# Altium PCB PCB1.PcbDoc (part 1 of 2) (continued)
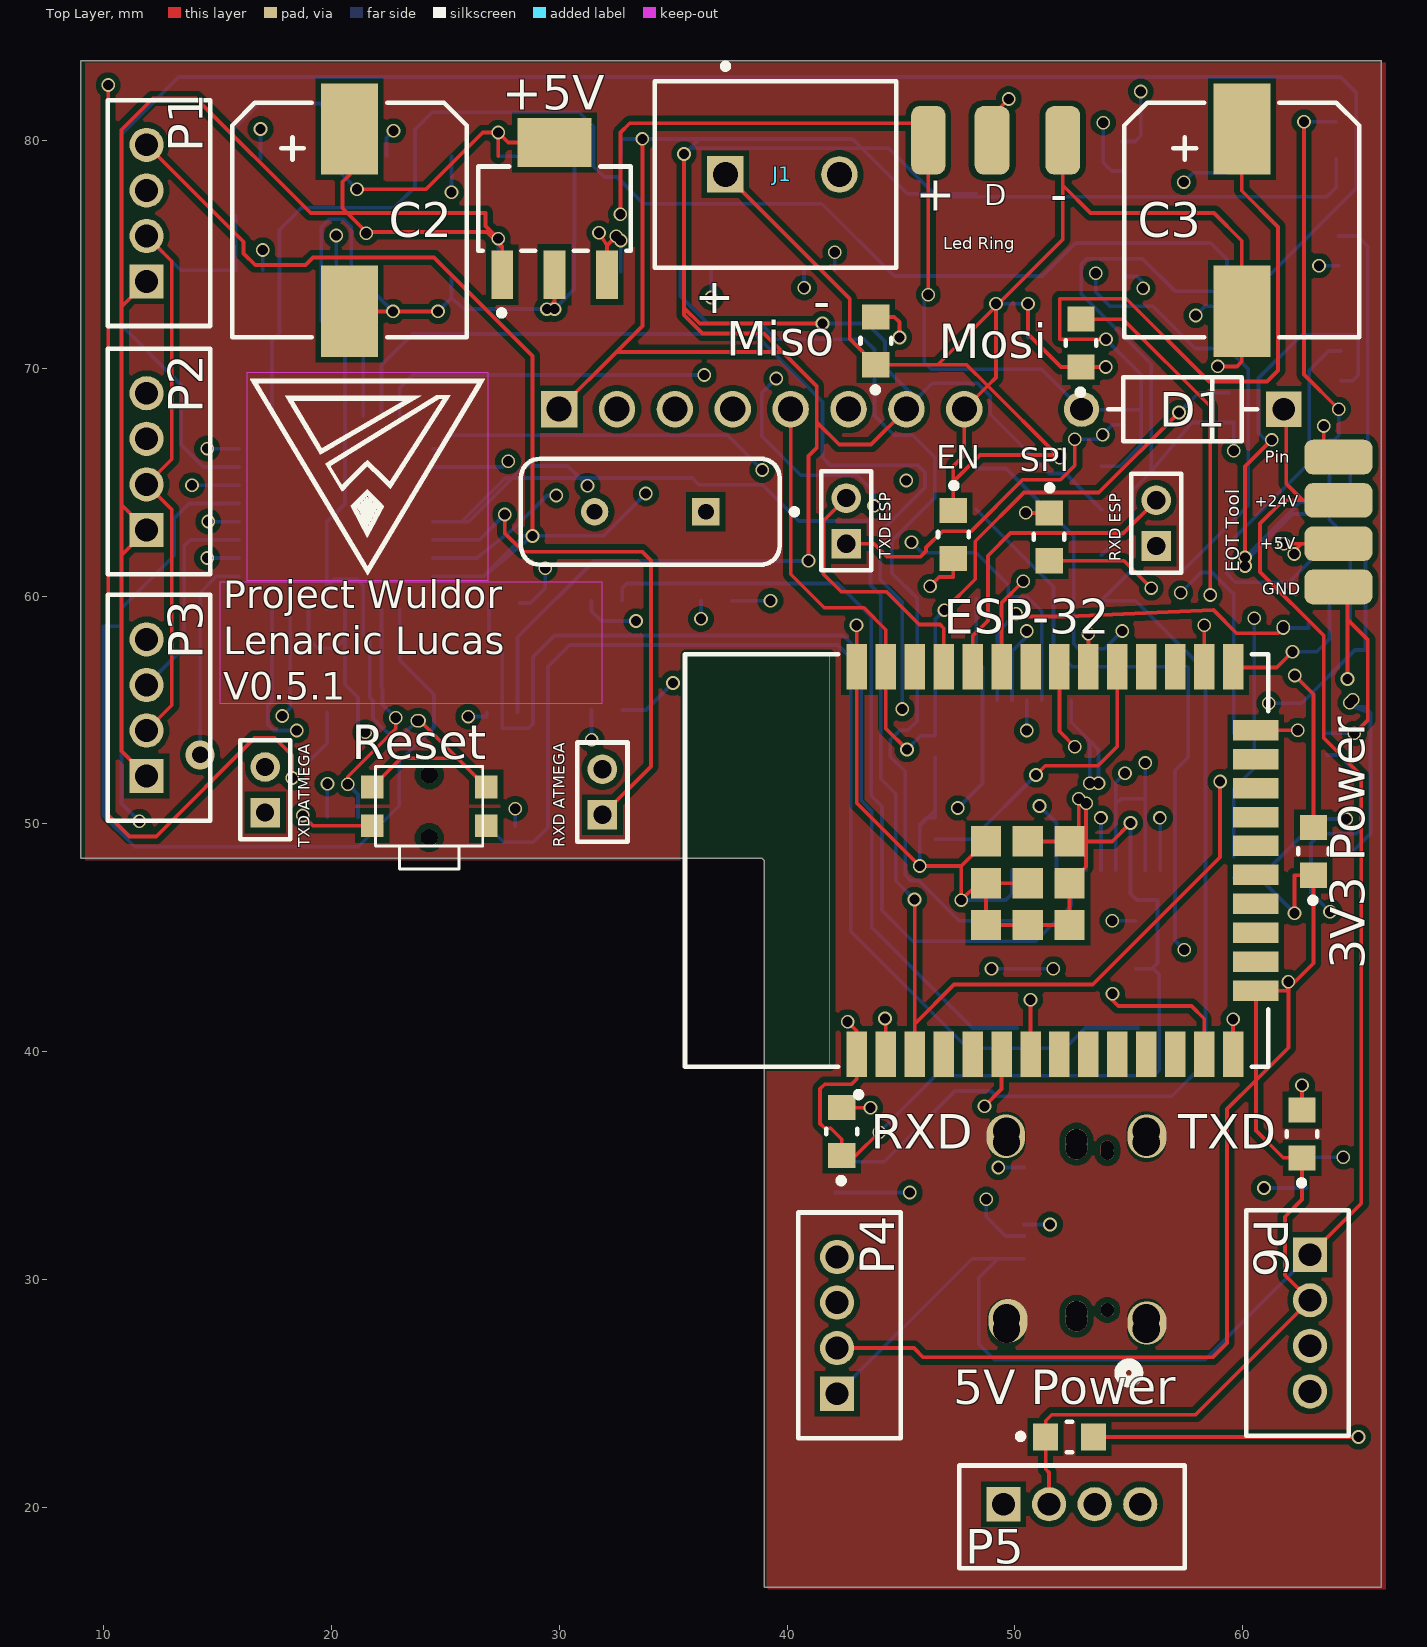
[diagram p0: Top Layer view]
## Design rules (kind name [scope] priority, off if disabled: settings)
AssemblyTestPointUsage AssemblyTestPointUsage_1 [All] p2:
AssemblyTestpoint AssemblyTestpoint_1 [All] p2: testpointundercomponent=TRUE minsize=1.016 maxsize=2.54 preferedsize=1.524 minholesize=0 maxholesize=1.016 preferedholesize=0.813 testpointgrid=0.025 usegrid=TRUE gridtolerance=0 allowsidetop=TRUE allowsidebottom=TRUE
Clearance [All] p1: gap=0.254 ignorepadtopadclearanceinfootprint=FALSE except(0: Arc-Hole Track-Hole SMDPad-Hole THPad-Hole Via-Hole Fill-Hole Poly-Hole Region-Hole Text-Hole)
Clearance Clearance_1 [All] p2: gap=0.254 ignorepadtopadclearanceinfootprint=FALSE except(0: Arc-Hole Track-Hole SMDPad-Hole THPad-Hole Via-Hole Fill-Hole Poly-Hole Region-Hole Text-Hole)
ComponentClearance ComponentClearance_1 [All] p2: gap=0.254 collisioncheckmode=3 verticalgap=0.254 showdistances=FALSE
DiffPairsRouting DiffPairsRouting_1 [All] p2: maxlimit=0.254 minlimit=0.254 mostfreqgap=0.254 toplayer_minwidth=0.381 toplayer_maxwidth=0.381 toplayer_prefwidth=0.381 midlayer1_minwidth=0.381 midlayer1_maxwidth=0.381 midlayer1_prefwidth=0.381 midlayer2_minwidth=0.381 midlayer2_maxwidth=0.381 midlayer2_prefwidth=0.381 bottomlayer_minwidth=0.381 bottomlayer_maxwidth=0.381 bottomlayer_prefwidth=0.381 maxuncoupledlength=12.7
FabricationTestPointUsage FabricationTestPointUsage_1 [All] p2: valid=0 allowmultiple=FALSE
FabricationTestpoint FabricationTestpoint_1 [All] p2: side=3 testpointundercomponent=TRUE minsize=1.016 maxsize=2.54 preferedsize=1.524 minholesize=0 maxholesize=1.016 preferedholesize=0.813 testpointgrid=0.025 allowsidetop=TRUE allowsidebottom=TRUE usegrid=TRUE gridtolerance=0
FanoutControl Fanout_LCC [IsLCC] p1: bgadir=Out bgaviamode=Centered fanoutstyle=Auto fanoutdirection=Alternating viagrid=0.025 // Fanout_LCC (Default Rule)
FanoutControl Fanout_BGA [IsBGA] p2: bgadir=Out bgaviamode=Centered fanoutstyle=Auto fanoutdirection=Alternating viagrid=0.025 // Fanout_BGA (Default Rule)
FanoutControl Fanout_Default [All] p4: bgadir=Out bgaviamode=Centered fanoutstyle=Auto fanoutdirection=Alternating viagrid=0.025 // Fanout_Default (Default Rule)
FanoutControl Fanout_Small [(CompPinCount < 5)] p5: bgadir=Out bgaviamode=Centered fanoutstyle=Auto fanoutdirection=OutThenIn viagrid=0.025 // Fanout_Small (Default Rule)
FanoutControl Fanout_BGA_1 [IsBGA] p6: bgadir=Out bgaviamode=Centered fanoutstyle=Auto fanoutdirection=Alternating viagrid=0.025 // Fanout_BGA (Default Rule)
FanoutControl Fanout_LCC_1 [IsLCC] p7: bgadir=Out bgaviamode=Centered fanoutstyle=Auto fanoutdirection=Alternating viagrid=0.025 // Fanout_LCC (Default Rule)
FanoutControl Fanout_SOIC_1 [IsSOIC] p8: bgadir=Out bgaviamode=Centered fanoutstyle=Auto fanoutdirection=Alternating viagrid=0.025 // Fanout_SOIC (Default Rule)
FanoutControl Fanout_Small_1 [(CompPinCount < 5)] p9: bgadir=Out bgaviamode=Centered fanoutstyle=Auto fanoutdirection=OutThenIn viagrid=0.025 // Fanout_Small (Default Rule)
FanoutControl Fanout_Default_1 [All] p10: bgadir=Out bgaviamode=Centered fanoutstyle=Auto fanoutdirection=Alternating viagrid=0.025 // Fanout_Default (Default Rule)
Height Height_1 [All] p2: minheight=0 maxheight=25.4 prefheight=12.7
HoleSize HoleSize_1 [All] p2: absolutevalues=TRUE maxlimit=2.54 minlimit=0.025 maxpercent=80.000 minpercent=20.000
HoleToHoleClearance HoleToHoleClearance_1 [All] p2: gap=0.254 allowstackedmicrovias=TRUE
LayerPairs LayerPairs_1 [All] p2: enforce=TRUE
MinimumSolderMaskSliver MinimumSolderMaskSliver_1 [All] p2: minsoldermaskwidth=0.254
NetAntennae NetAntennae_1 [All] p2: netantennaetolerance=0
PasteMaskExpansion PasteMaskExpansion_1 [All] p2: expansion=0
PlaneClearance PlaneClearance_1 [All] p2: clearance=0.508
PlaneConnect PlaneConnect_1 [All] p2: planeconnectstyle=Relief reliefexpansion=0.508 reliefentries=4 reliefconductorwidth=0.254 reliefairgap=0.254
PolygonConnect [All] p1: connectstyle=Relief reliefconductorwidth=0.254 reliefentries=4 polygonreliefangle="90 Angle" airgapwidth=0.254
PolygonConnect PolygonConnect_1 [All] p2: connectstyle=Relief reliefconductorwidth=0.254 reliefentries=4 polygonreliefangle="90 Angle" airgapwidth=0.254
RoutingCorners RoutingCorners_1 [All] p2: cornerstyle=45-Degree minsetback=2.54 maxsetback=2.54
RoutingLayers RoutingLayers_1 [All] p2: top layer_v5=TRUE mid layer 1_v5=TRUE mid layer 2_v5=TRUE bottom layer_v5=TRUE
RoutingPriority RoutingPriority_1 [All] p2: routingpriority=0
RoutingTopology [All] p1: topology=Daisy_Balanced
RoutingTopology RoutingTopology_1 [All] p2: topology=Shortest
RoutingVias [All] p1: holewidth=0.451 width=0.6 viastyle="Through Hole" minholewidth=0.251 minwidth=0.4 maxholewidth=0.711 maxwidth=1.27
RoutingVias RoutingVias_1 [All] p2: holewidth=0.711 width=1.27 viastyle="Through Hole" minholewidth=0.711 minwidth=1.27 maxholewidth=0.711 maxwidth=1.27
ShortCircuit ShortCircuit_1 [All] p2: allowed=FALSE
SilkToBoardRegionClearance SilkToBoardRegionClearance_1 [All] p2:
SilkToSilkClearance SilkToSilkClearance_1 [All] p2: silktosilkclearance=0.254
SilkToSolderMaskClearance SilkToSolderMaskClearance_1 [IsPad] p2: minsilkscreentomaskgap=0.254 clearancetoexposedcopper=TRUE
SolderMaskExpansion [All] p1: expansion=0.102 istentingtop=FALSE
SolderMaskExpansion SolderMaskExpansion_1 [All] p2: expansion=0.102 istentingtop=FALSE
UnRoutedNet UnRoutedNet_1 [All] p2:
UnpouredPolygon UnpouredPolygon_1 [All] p2:
Width [All] p1: maxlimit=0.254 minlimit=0.144 preferedwidth=0.164 minimp=50.000000 maximp=50.000000 favimp=50.000000
Width Width_1 [All] p2: maxlimit=0.254 minlimit=0.144 preferedwidth=0.144 minimp=50.000000 maximp=50.000000 favimp=50.000000
25 further rules are at their usual default settings.

## Classes and differential pairs
component class Sheet2: "3V3 Power" "5V Power" +3V3 +5V ATMEGA328P C1 C2 C3 C4 C5 C6 C7 C8 C9 D1 Display EN ESP-32 FT232RL Miso Mosi P1 P2 P3 P4 P5 P6 Q1 Q2 R1 R2 R3 R4 R5 R6 R7 R8 R9 R10 R11 R12 R13 R14 R15 R16 R17 R18 R19 R20 R21 R22 R23 R24 R25 R26 R27 RXD "RXD ATMEGA" "RXD ESP" Step1 Step2 Step3 Step4 TXD "TXD ATMEGA" "TXD ESP" USB-C

## Components (designator, comment, footprint, x,y, rotation, side; value= is the part's Value field where it differs from the comment)
"3V3 Power" "" FP-150080SS75000-MFG 63.1,48.8 r90 top
"5V Power" "" FP-150080SS75000-MFG 52.4,23.1 r0 top
+3V3 "LD1117DT33TR" TO-252_N 48.3,75.6 r90 bottom (schematic designator "+3V3 LD1117")
+5V "LM7805MPX/NOPB" FP-LM7805MPX-NOPB-MFG 29.8,77 r90 top (schematic designator "+5V LM7805")
ATMEGA328P "ATmega328P-AU" 32A_M 20.204,63.666 r90 bottom
C1 "" FP-CGA3E-0_3-0_1-IPC_A 26.3,74.1 r180 bottom
C2 "" NIC-UCL-10x13.5-2_V 20.8,76.5 r0 top
C3 "" NIC-UCL-10x13.5-2_V 59.956,76.5 r0 top
C4 "" FP-CGA3E-0_3-0_1-IPC_A 21.4,79.3 r180 bottom
C5 "" FP-CGA3E-0_3-0_1-IPC_A 31.676,74.23 r180 bottom
C6 "" FP-CGA3E-0_3-0_1-IPC_A 31.701,79.33 r180 bottom
C7 "" FP-C0603C-CF-MFG 16.3,79.2 r180 bottom value="30 pF"
C8 "" FP-C0603C-CF-MFG 16.4,74.3 r180 bottom value="30 pF"
C9 "" FP-CGA3E-0_3-0_1-IPC_A 26.3,79.3 r180 bottom
D1 "1N4007" FP-1N4007-MFG 57.36,68.2 r180 top value=15pF
Display "61300811121" 61300811121 38.89,68.2 r0 bottom
EN "" FP-150080SS75000-MFG 47.3,62.7 r270 top
ESP-32 "ESP32-WROOM-32D" FP-ESP32-WROOM-32D-MFG 48.325,48.4 r90 top
FT232RL "FT232RL" FTDI-SSOP-28_M 52.8,51.7 r270 bottom
J1 "282836-2" TECO-282836-2_V 39.8,78.5 r0 top
Miso "" FP-150080SS75000-MFG 43.9,71.2 r90 top
Mosi "" FP-150080SS75000-MFG 52.9,71.1 r90 top
P1 "" JST-B4B-PH-K-S_V 12.45,76.8 r90 top
P2 "" JST-B4B-PH-K-S_V 12.45,65.9 r90 top
P3 "" JST-B4B-PH-K-S_V 12.45,55.1 r90 top
P4 "" JST-B4B-PH-K-S_V 42.75,28 r90 top
P5 "" JST-B4B-PH-K-S_V 52.5,19.6 r0 top
P6 "" JST-B4B-PH-K-S_V 62.4,28.1 r270 top
Q1 "MMBT2222A-7-F" FP-SOT23-IPC_A 63.8,59.8 r90 bottom
Q2 "MMBT2222A-7-F" FP-SOT23-IPC_A 63.8,65.1 r90 bottom
R1 "RC0402FR-073K3L" RESC1005X40X25ML05T10 46.5,49.8 r90 bottom
R2 "RC0402FR-073K3L" RESC1005X40X25ML05T10 59.6,48.1 r270 bottom
R3 "RC0402FR-073K3L" RESC1005X40X25ML05T10 63.7,53.5 r90 bottom
R4 "RC0402FR-073K3L" RESC1005X40X25ML05T10 46.5,53.4 r270 bottom
R5 "RC0603FR-072K2L" RESC1608X55X25LL10T15 59.402,68.272 r270 bottom
R6 "RC0603FR-072K2L" RESC1608X55X25LL10T15 54.802,73.372 r270 bottom
R7 "RC0603FR-072K2L" RESC1608X55X25LL10T15 59.302,73.372 r90 bottom
R8 "RC0603FR-072K2L" RESC1608X55X25LL10T15 54.701,79.3 r270 bottom
R9 "" FP-BLM18-0_15-t0_5-MFG 36,74.3 r180 bottom
R10 "" FP-BLM18-0_15-t0_5-MFG 20.5,50.3 r180 bottom
R11 "" FP-BLM18-0_15-t0_5-MFG 27.4,49.9 r180 bottom
R12 "" FP-BLM18-0_15-t0_5-MFG 27.6,59.7 r180 bottom
R13 "" FP-BLM18-0_15-t0_5-MFG 20.5,54.9 r180 bottom
R14 "" FP-BLM18-0_15-t0_5-MFG 27.5,54.9 r180 bottom
R15 "" FP-BLM18-0_15-t0_5-MFG 32.1,59.8 r180 bottom
R16 "" FP-BLM18-0_15-t0_5-MFG 36.9,59.8 r180 bottom
R17 "RC0603FR-072K2L" RESC1608X55X25LL10T15 59.302,79.222 r90 bottom
R18 "RC0402FR-073K3L" RESC1005X40X25ML05T10 63.7,48.175 r90 bottom
R19 "RC0603FR-072K2L" RESC1608X55X25LL10T15 54.802,68.172 r90 bottom
R20 "RC0402FR-073K3L" RESC1005X40X25ML05T10 59.6,53.5 r90 bottom
R21 "" FP-BLM18-0_15-t0_5-MFG 41.425,74.3 r180 bottom
R22 "" FP-BLM18-0_15-t0_5-MFG 62.8,34.7 r90 bottom
R23 "" FP-BLM18-0_15-t0_5-MFG 42.1,34.5 r90 bottom
R24 "ERJ3EKF1002V" RESC1609X55X30LL15T15 64.3,70.1 r90 bottom
R25 "ERJ3EKF1002V" RESC1609X55X30LL15T15 64.2,75.15 r90 bottom
R26 "CRCW060312K0FKEA" FP-CRCW0603-e3-IPC_A 64.1,80 r90 bottom
R27 "" FP-BLM18-0_15-t0_5-MFG 32.1,55 r180 bottom
Reset "436333045822" 436333045822 24.3,50.775 r0 top (schematic designator SW1)
RXD "" FP-150080SS75000-MFG 42.4,36.5 r90 top
"RXD ATMEGA" "RXD ATMEGA" FP-M22-2510205-MFG 31.9,51.4 r90 top
"RXD ESP" "RXD ESP32" FP-M22-2510205-MFG 56.2,63.2 r90 top
SPI "" FP-150080SS75000-MFG 51.5,62.6 r270 top (schematic designator "SPI Controll")
Step1 "" FP-150080SS75000-MFG 50,44.7 r90 bottom
Step2 "" FP-150080SS75000-MFG 55.3,44.7 r90 bottom
Step3 "" FP-150080SS75000-MFG 55.4,40 r90 bottom
Step4 "" FP-150080SS75000-MFG 50.1,40 r90 bottom
TXD "" FP-150080SS75000-MFG 62.6,36.4 r90 top
"TXD ATMEGA" "TXD ESP32" FP-M22-2510205-MFG 17.1,51.5 r90 top
"TXD ESP" "TXD ESP32" FP-M22-2510205-MFG 42.6,63.3 r90 top
USB-C "DX07S024WJ1R350" CONN_DX07S024WJ1R350_JAE 50.4,34.925 r90 bottom
X? "" FOX-FOXSLF160-20 34,63.7 r180 top

## Footprints (in the part's own frame and the unit in brackets; to place one, negate y for a bottom-side part, rotate by r counter-clockwise, add the part's x,y. Pads: shape width x height; smd on the part's side, far side on the other; paste and mask are expansions set on the pad)
32A_M [mm] "Thin QFP, 32-Leads, Body 7x7mm, Pitch 0.8mm, IPC Low Density"
  oval 1.95x0.6 smd: 1(-4.25,2.8) 2(-4.25,2) 3(-4.25,1.2) 4(-4.25,0.4) 5(-4.25,-0.4) 6(-4.25,-1.2) 7(-4.25,-2) 8(-4.25,-2.8) 17(4.25,-2.8) 18(4.25,-2) 19(4.25,-1.2) 20(4.25,-0.4) 21(4.25,0.4) 22(4.25,1.2) 23(4.25,2) 24(4.25,2.8)
  oval 0.6x1.95 smd: 9(-2.8,-4.25) 10(-2,-4.25) 11(-1.2,-4.25) 12(-0.4,-4.25) 13(0.4,-4.25) 14(1.2,-4.25) 15(2,-4.25) 16(2.8,-4.25) 25(2.8,4.25) 26(2,4.25) 27(1.2,4.25) 28(0.4,4.25) 29(-0.4,4.25) 30(-1.2,4.25) 31(-2,4.25) 32(-2.8,4.25)
  silkscreen extent -4.37,-2.85 2.85,3.78, body extent -3.5,-3.5 3.5,3.5, height 1.2
61300811121 [mm] "Pin Header, pitch 2.54 mm, THT, Vertical, single row, 8p"
  rect 1.6x1.6 hole 1.1: 1(-8.89,0)
  round 1.6 hole 1.1: 2(-6.35,0) 3(-3.81,0) 4(-1.27,0) 5(1.27,0) 6(3.81,0) 7(6.35,0) 8(8.89,0)
  silkscreen extent -10.31,-1.34 10.31,1.35, body extent -10.16,-1.27 10.16,1.27, height 8.57
436333045822 [mm] "4.7*3.5mm side push type, J-Bend SMD with boss design, height 1.65mm, black actuator, 220gf, T&R"
  rect 1x1 smd: 1(2.5,0.85) 2(2.5,-0.85) 3(-2.5,0.85) 4(-2.5,-0.85)
  round 0.75 hole 0.75 unplated: ""(0,-1.375) ""(0,1.375)
  silkscreen extent -2.35,-2.75 2.35,1.75, body extent -2.75,-2.75 2.75,1.75, height 1.65
CONN_DX07S024WJ1R350_JAE [mil]
  round 24 hole 24 unplated: 25(-246.06,143.78)
  round 47.24 hole 47.24 unplated: 27(-259.84,211.42) 28(43.31,211.42) 29(63,211.42) 36(-279.53,-30.24) 37(-259.84,-30.24) 38(43.31,-30.24) 39(63,-30.24) S_9_H2(-279.53,211.42)
  round 23.62 hole 23.62 unplated: 30(24.61,143.78) 31(34.45,143.78)
  round 37.4 hole 37.4 unplated: 32(-264.76,90.55) 33(-249.01,90.55) 34(32.48,90.55) 35(48.23,90.55)
  rect 11x55 smd paste+0 mask+0: A1(-216.54,181.1) A2(-196.85,181.1) A3(-177.16,181.1) A4(-157.48,181.1) A5(-137.8,181.1) A6(-118.11,181.1) A7(-98.42,181.1) A8(-78.74,181.1) A9(-59.06,181.1) A10(-39.37,181.1) A11(-19.68,181.1) A12(0,181.1) B1(0,0) B2(-19.68,0) B3(-39.37,0) B4(-59.06,0) B5(-78.74,0) B6(-98.42,0) B7(-118.11,0) B8(-137.8,0) B9(-157.48,0) B10(-177.16,0) B11(-196.85,0) B12(-216.54,0)
  Multi-Layer lines w23.62: 24.61,143.78 34.45,143.78
  Multi-Layer lines w37.4: -264.76,90.55 -249.01,90.55 ; 32.48,90.55 48.23,90.55
  Multi-Layer lines w47.24: -279.53,-30.24 -259.84,-30.24 ; 43.31,-30.24 63,-30.24 ; -279.53,211.42 -259.84,211.42 ; 43.31,211.42 63,211.42
  silkscreen extent -330,-53 113,233, body extent 0,0 10,10, height 10
FOX-FOXSLF160-20 [mm] "THD, 2-Leads, Body 11.35x4.65mm"
  rect 1.2x1.2 hole 0.7: 1(-2.44,0)
  round 1.2 hole 0.7: 2(2.44,0)
  silkscreen extent -6.45,-2.33 5.68,2.32, body extent -5.67,-2.32 5.68,2.33, height 3.6
FP-1N4007-MFG [mm]
  rect 1.55x1.55 hole 1 paste-1000 mask+0: 1(-4.44,0)
  round 1.55 hole 1 paste-1000 mask+0: 2(4.44,0)
  silkscreen extent -3.27,-1.4 3.27,1.4, body extent -5.32,-1.5 5.32,1.5, height 0.25
FP-150080SS75000-MFG [mm]
  rect 1.1x1.2 smd paste+0 mask+0: 1(-1.05,0) 2(1.05,0)
  silkscreen extent -2.27,-0.67 0.13,0.67, body extent -1.7,-0.77 1.7,0.77, height 0.25
FP-BLM18-0_15-t0_5-MFG [mm]
  rect 0.65x0.7 smd paste+0 mask+0: 1(-0.675,0) 2(0.675,0)
  silkscreen extent -0.88,-0.75 0.87,0.75, body extent -0.8,-0.4 0.8,0.4, height 0.65
FP-C0603C-CF-MFG [mm]
  rect 0.75x0.9 smd paste+0 mask+0: 1(-0.6,0) 2(0.6,0)
  silkscreen extent -0.88,-0.85 0.88,0.85, body extent -0.8,-0.4 0.8,0.4, height 0.87
FP-CGA3E-0_3-0_1-IPC_A [mm]
  rect 0.956x1.206 smd paste+0 mask+0: 1(-1.025,0) 2(1.025,0)
  silkscreen extent -0.25,-0.6 0.25,0.6, body extent -0.8,-0.4 0.8,0.4, height 1.1
FP-CRCW0603-e3-IPC_A [mm]
  rect 1.135x1.062 smd paste+0 mask+0: 1(-0.815,0) 2(0.815,0)
  silkscreen extent -0.75,-0.95 0.75,0.95, body extent -0.77,-0.43 0.77,0.43, height 0.5
FP-ESP32-WROOM-32D-MFG [mm]
  rect 2x0.9 smd paste+0 mask+0: 1(-8.5,5.26) 2(-8.5,3.99) 3(-8.5,2.72) 4(-8.5,1.45) 5(-8.5,0.18) 6(-8.5,-1.09) 7(-8.5,-2.36) 8(-8.5,-3.63) 9(-8.5,-4.9) 10(-8.5,-6.17) 11(-8.5,-7.44) 12(-8.5,-8.71) 13(-8.5,-9.98) 14(-8.5,-11.25) 25(8.5,-11.25) 26(8.5,-9.98) 27(8.5,-8.71) 28(8.5,-7.44) 29(8.5,-6.17) 30(8.5,-4.9) 31(8.5,-3.63) 32(8.5,-2.36) 33(8.5,-1.09) 34(8.5,0.18) 35(8.5,1.45) 36(8.5,2.72) 37(8.5,3.99) 38(8.5,5.26)
  rect 0.9x2 smd paste+0 mask+0: 15(-5.715,-12.25) 16(-4.445,-12.25) 17(-3.175,-12.25) 18(-1.905,-12.25) 19(-0.635,-12.25) 20(0.635,-12.25) 21(1.905,-12.25) 22(3.175,-12.25) 23(4.445,-12.25) 24(5.715,-12.25)
  rect 1.33x1.33 smd paste+0 mask+0: 39(-2.835,-2.24) 39(-2.835,-0.405) 39(-2.835,-4.075) 39(-1,-0.405) 39(-1,-4.075) 39(-1,-2.24) 39(0.835,-0.405) 39(0.835,-4.075) 39(0.835,-2.24)
  Keep-Out Layer region: -9,6.45 9,6.45 9,12.75 -9,12.75
  Keep-Out Layer region: -9,6.45 9,6.45 9,12.75 -9,12.75
  silkscreen extent -10.4,-12.8 9.05,12.8, body extent -9.6,-13.35 9.6,12.9, height 0.25
FP-LM7805MPX-NOPB-MFG [mm]
  rect 2.15x0.95 smd paste+0 mask+0: 1(-2.9,2.3) 2(-2.9,0) 3(-2.9,-2.3)
  rect 2.15x3.25 smd paste+0 mask+0: 4(2.9,0)
  silkscreen extent -4.7,-3.35 1.85,3.35, body extent -4.08,-3.45 4.08,3.45, height 0.25
FP-M22-2510205-MFG [mm]
  rect 1.3x1.3 hole 0.8 paste-1000 mask+0: 1(-1,0)
  round 1.3 hole 0.8 paste-1000 mask+0: 2(1,0)
  silkscreen extent -2.18,-1.1 2.18,1.1, body extent -2.27,-1.2 2.27,1.2, height 0.25
FP-SOT23-IPC_A [mm]
  rect 1.659x0.627 smd paste+0 mask+0: 1(-0.977,0.915)
  rrect100% 1.659x0.627 smd paste+0 mask+0: 2(-0.977,-0.915) 3(0.977,0)
  silkscreen extent 0.23,-1.45 0.65,1.45, body extent -1.2,-1.45 1.2,1.45, height 1.1
FTDI-SSOP-28_M [mm] "SOP, 28-Leads, Body 10.5x5.6mm, Pitch 0.65mm, IPC Low Density"
  oval 1.85x0.45 smd: 1(-3.725,4.225) 2(-3.725,3.575) 3(-3.725,2.925) 4(-3.725,2.275) 5(-3.725,1.625) 6(-3.725,0.975) 7(-3.725,0.325) 8(-3.725,-0.325) 9(-3.725,-0.975) 10(-3.725,-1.625) 11(-3.725,-2.275) 12(-3.725,-2.925) 13(-3.725,-3.575) 14(-3.725,-4.225) 15(3.725,-4.225) 16(3.725,-3.575) 17(3.725,-2.925) 18(3.725,-2.275) 19(3.725,-1.625) 20(3.725,-0.975) 21(3.725,-0.325) 22(3.725,0.325) 23(3.725,0.975) 24(3.725,1.625) 25(3.725,2.275) 26(3.725,2.925) 27(3.725,3.575) 28(3.725,4.225)
  silkscreen extent -3.85,-5.25 2.4,5.25, body extent -3.9,-5.25 3.9,5.25, height 2
JST-B4B-PH-K-S_V [mm] "Connector, 4-Leads, Body 9.9x4.5mm, Pitch 2mm"
  rect 1.5x1.5 hole 1: 1(-3,0.55)
  round 1.5 hole 1: 2(-1,0.55) 3(1,0.55) 4(3,0.55)
  silkscreen extent -4.95,-2.25 4.95,2.25, body extent -4.95,-2.25 4.95,2.25, height 6
NIC-UCL-10x13.5-2_V [mm] "SMD, 2-Leads,Body 10.3x10.3mm, Height 14.3mm"
  rect 2.5x4 smd: 1(0,4) 2(0,-4)
  silkscreen extent -5.15,-5.15 5.15,5.15, body extent -5.15,-5.45 5.15,5.45, height 14.3
RESC1005X40X25ML05T10 [mm] "Chip Resistor, 2-Leads, Body 1.00x0.50mm, IPC Low Density"
  rect 0.7x0.65 smd: 1(-0.475,0) 2(0.475,0)
  body extent -0.53,-0.27 0.53,0.28, height 0.4
RESC1608X55X25LL10T15 [mm] "Chip Resistor, 2-Leads, Body 1.60x0.80mm, IPC High Density"
  rect 0.6x0.8 smd: 1(-0.65,0) 2(0.65,0)
  body extent -0.85,-0.45 0.85,0.45, height 0.55
RESC1609X55X30LL15T15 [mm] "Chip Resistor, 2-Leads, Body 1.75x0.95mm, IPC High Density"
  rect 0.75x0.85 smd: 1(-0.65,0) 2(0.65,0)
  body extent -0.87,-0.48 0.87,0.48, height 0.55
TECO-282836-2_V [mm] "Female Header, Pitch 5mm, 1 x 2 Position, Height 10mm"
  rect 1.6x1.6 hole 1.1: 1(-2.5,0)
  round 1.6 hole 1.1: 2(2.5,0)
  silkscreen extent -5.6,-4.1 5,4.87, body extent -5.6,-4.1 5,4.1, height 10
TO-252_N [mm] "D-PAK, 4-Leads, Body 6.1x6.5mm, Pitch 2.28mm, Lead Span 9.7mm, IPC Medium Density"
  rect 2.1x0.95 smd: 1(-4.25,2.28) 3(-4.25,-2.28)
  rect 6.5x5.5 smd: 4(2.05,0)
  silkscreen extent -4.37,-3.3 -1.6,3.43, body extent -2,-3.3 4.2,3.3, height 2.4

## Part data
"3V3 Power" "5V Power" EN Miso Mosi RXD SPI Step1 Step2 Step3 Step4 TXD: library part CMP-1426-00010-2, "LED RED CLEAR 0805 SMD", Case Code (Imperial)=0805, Case Code (Metric)=2012, Color=Red, Forward Current=30mA, Forward Voltage=1.9V, Lens Color=Colorless, Max Operating Temperature=85°C, Min Operating Temperature=-40°C, Package Quantity=1, Test Current=20mA, Case/Package=0805, Dominant Wavelength=630nm, Height=0.8mm, Length=2mm, Lens Size=1.25mm, Lens Style=Clear, Lens Transparency=Clear, Luminous Intensity=60mcd, Mount="Surface Mount", Packaging="Cut Tape", RoHS Compliant=Yes, Series=WL-SMCW, Viewing Angle=140°, Wavelength=630nm, Width=1.25mm
+3V3: library part CMP-0244-00088-1, "Fixed Low Drop Positive Voltage Regulator, 3.3V, 3-Pin DPAK, Tape and Reel", ComponentLink1Description="Manufacturer URL", ComponentLink1URL=http://www.st.com, ComponentLink2Description=Datasheet, ComponentLink2URL=http://www.st.com/internet/com/TECHNICAL_RESOURCES/TECHNICAL_LITERATURE/DATASHEET/CD00000544.pdf, DatasheetVersion=1/11/2011, PackageDescription="3-Pin Transistor Outline Package 2.28 mm Pitch, 9.7 mm Lead Span (DPAK)", PackageReference=TO-252, PackageVersion=2011
+5V: library part CMP-04917-000022-1, "IC REG LINEAR 5V 1.5A SOT223-4", Dropout Voltage=2V, Manufacturer="Texas Instruments", Max Junction Temp=+150°C, Max Supply Voltage=30V, Min Supply Voltage=7.5V, Nominal Supply Current=8mA, Output Current=1.5A, Output Voltage=5V, Package=SOT223-4, Temperature="0°C to +125°C", Temperature Range High=+125°C, Temperature Range Low=0°C, Accuracy Percentage=3%, Automotive=No, Category=IC, ComponentLink2Description=Datasheet, ComponentLink2URL=http://www.ti.com/lit/ds/symlink/lm7800.pdf, Device Class L1="Integrated Circuits (ICs)", Device Class L2="Power Management ICs", Device Class L3="Voltage Regulators - Linear", Digikey Description="IC REG LINEAR 5V 1.5A SOT223-4", Height=1.8mm, Lead Free=Yes, Manufacturer Part Number=LM7805MPX/NOPB, Number of Outputs=1, Octopart=https://octopart.com/lm7805mpx%2Fnopb-texas+instruments-74629992, Output Type=Fixed, RoHS=TRUE, Standoff Height=0.02mm
ATMEGA328P: library part CMP-0095-00269-2, "8-bit AVR Microcontroller, 32KB Flash, 1KB EEPROM, 2KB SRAM, 32-pin TQFP, Industrial Grade (-40°C to 85°C)", Code_JEDEC=MS-026-ABA, ComponentLink1Description="Manufacturer URL", ComponentLink1URL=http://www.atmel.com/, ComponentLink2Description="ATmega48A/48PA/88A/88PA/168A/168PA/328/328P Datasheet", ComponentLink2URL=http://www.atmel.com/dyn/resources/prod_documents/doc8271.pdf, ComponentLink3Description="ATmega48A/48PA/88A/88PA/168A/168PA/328/328P Summary", ComponentLink3URL=http://www.atmel.com/dyn/resources/prod_documents/8271S.pdf, DatasheetVersion="revD, May-2011", PackageDescription="32-Lead, 7x7x1.0 mm Body, 0.8mm Lead Pitch, Thin Profile Plastic Quad Flat Package (TQFP)", PackageReference=32A, PackageVersion="revC, Oct-2010", RevisionNote="DatasheetVersion & PackageVersion updated. URLs added."
C1 C4 C5 C6 C9: library part CMP-2000-07546-2, "Cap Ceramic 100nF 50V X7R 10% Pad SMD 0603 +125°C Automotive T/R", Capacitance=100nF, Case Code (Imperial)=0603, Case Code (Metric)=1608, Dielectric=X7R, Max Operating Temperature=125°C, Min Operating Temperature=-55°C, Package Quantity=1, Ratings=AEC-Q200, Tolerance=10%, Voltage=50V, Case/Package=0603, Composition=Ceramic, Depth=0.8mm, Height=0.8mm, Lead Free="Lead Free", Length=1.6mm, Mount="Surface Mount", Packaging="Tape and Reel", Radiation Hardening=No, REACH SVHC="No SVHC", Termination=SMD/SMT, Thickness=0.035inch, Voltage Rating=50V, Voltage Rating (DC)=50V, Weight=7.1E-05oz, Width=0.8mm
C2 C3: library part CMP-0926-00001-1, "Aluminum Electrolytic Capacitor, Low Impedance, 1000 uF +/- 20%, 16 V, -55 to 105 degC, 2-Pin 10.3 x 10.3 x 13.5 mm SMD, RoHS, Reel", Capacitance Tolerance="+/- 20%", Category Temperature Range="-55 to 105 degC", Leakage Current="160 uA", Manufacturer=Nichicon, PartNumber=UCL1C102MNL1GS, Rated Capacitance="1000 uF", Rated Ripple Current (at 100 kHz)="1190 mA", Rated Voltage="16 V", ComponentLink1Description="Manufacturer URL", ComponentLink1URL=www.nichicon.com, ComponentLink2Description=Datasheet, ComponentLink2URL=http://nichicon-us.com/english/products/pdfs/e-cl.pdf, DatasheetVersion=Sep-13, Impedance="0.06 ohm", Mounting Technology="Surface Mount", PackageDescription="2-Pin SMD, Body 10.3 x 10.3 mm, Height 14.3 mm", PackageReference=UCL-10x13.5-2, Packing=Reel, Polarity Type=Polar, RoHS=TRUE
C7 C8: library part CMP-1035-00914-3, "CAP CER 30PF 50V 5% NP0 0603", Capacitance="30 pF", Manufacturer=KEMET, Manufacturer Part Number=C0603C300J5GACTU, Package=C0603C-CF, Temperature="-55°C to +125°C", Temperature Characteristic=C0G, Temperature Coefficient=30ppm/°C, Temperature Range High=+125°C, Temperature Range Low=-55°C, Tolerance=0.05, Voltage Rating="50 V", Automotive=Yes, Automotive Grade="Grade 1", Category=Cap, ComponentLink2Description=Datasheet, ComponentLink2URL=https://api.kemet.com/component-edge/download/datasheet/C0603C100J5GACAUTO.pdf, Device Class L1="Passive Components", Device Class L2=Capacitors, Device Class L3="Ceramic Capacitors", Digikey Description="CAP CER 30PF 50V 5% NP0 0603", Height=0.87mm, Lead Free=Yes, Material=Ceramic, Mouser Description="Multilayer Ceramic Capacitors MLCC - SMD/SMT 50volts 30pF C0G 5%", Octopart=https://octopart.com/c0603c300j5gactu-kemet-199455, RoHS=TRUE
D1: library part CMP-123542-000001-1, "Rectifier diode 1000 V 1 A DO-41, ,", Capacitance=15pF, Forward Current=1A, Manufacturer=Diotec, Max Junction Temp=+175°C, Max Repetitive Reverse Voltage=1000V, Max Surge Forward Current=27A, Peak Reverse Current=5uA, Temperature="-50°C to +175°C", Temperature Range Low=-50°C, Automotive=No, Category=Diode, ComponentLink2Description=Datasheet, ComponentLink2URL=https://datasheet.octopart.com/1N4007-Diotec-datasheet-62346875.pdf, Device Class L1="Discrete Semiconductors", Device Class L2=Diodes, Device Class L3="Rectifier Diodes", Height=2.8mm, Ipc Land Pattern Name=DIOAD888W100L520D280, Lead Free=Yes, Manufacturer Part Number=1N4007, Octopart=https://octopart.com/1n4007-diotec-4040411, Package=1N4007, Reverse Voltage=1000V, RoHS=TRUE, Temperature Range High=+175°C
Display: library part CMP-1502-01076-1, "THT Vertical Pin Header WR-PHD, Pitch 2.54 mm, Single Row, 8 pins", Contact Resistance=20mOhm, Manufacturer="Wurth Elektronik", Operating Temperature=-40to105degC, Rated Current=3A, Withstanding Voltage=500VAC, Working Voltage=250VAC, Datasheet URL=https://katalog.we-online.de/em/datasheet/6130xx11121.pdf, Gender=Male, Manufacturer URL=http://www.we-online.de, Mounting Technology=THT, Orientation=Vertical, Package Reference=61300811121, Packaging=Bag, Part Number=61300811121, Pin Number=8, Pitch=2.54mm, Publisher=WurthElektronik, Row Number=Single
ESP-32: library part CMP-194065-000003-1, "WIFI MODULE 32MBITS SPI FLASH", Manufacturer="Espressif Systems", Max Frequency=2484MHz, Max Supply Voltage=3.6V, Min Supply Voltage=3V, Nominal Supply Current=500mA, Temperature="-40°C to +85°C", Temperature Range High=+85°C, Temperature Range Low=-40°C, Automotive=No, Bandwidth=72MHz, Category=UNK, ComponentLink2Description=Datasheet, ComponentLink2URL=https://www.espressif.com/sites/default/files/documentation/esp32-wroom-32d_esp32-wroom-32u_datasheet_en.pdf, Data Rate=150Mbits/s, Device Class L1="Integrated Circuits (ICs)", Device Class L2="RF Semiconductors and Devices", Device Class L3=Transceivers, Digikey Description="WIFI MODULE 32MBITS SPI FLASH", Height=3.2mm, Interface=I2C,SPI,UART,Ethernet,I2S,Other, Lead Free=Yes, Manufacturer Part Number=ESP32-WROOM-32D, Mouser Description="Wi-Fi/BT BLE Module ESP32-D0WD, SPI Flash, UART, P", Number Of Adc Channels=16, Number Of Gpio=32, Octopart=https://octopart.com/esp32-wroom-32d-espressif+systems-91040050, Package=ESP32-WROOM-32D, RoHS=TRUE, Sensitivity=-98dBm
FT232RL: library part CMP-2000-05029-1, "IC USB FS SERIAL UART 28-SSOP", Manufacturer=FTDI, Maximum Operating Temperature=+85degC, Minimum Operating Temperature=-40degC, Package Type=SSOP, Datasheet URL=http://datasheet.octopart.com/FT232RL-FTDI-datasheet-120501.pdf, Datasheet Version="Rev. 1.04, 02/2006", Dimensions=10.2x5.3x1.75mm, Height=1.75mm, Length=10.2mm, Manufacturer URL=http://www.ftdichip.com/, Maximum Data Rate=3MBd, Mounting Type=SurfaceMount, Number of Channels per Chip=1, Pin Count=28, Receive FIFO=256B, Transmit FIFO=128B, Width=5.3mm
J1: library part CMP-1684-00017-1, "Female Header, Pitch 5 mm, 1 x 2 Position, Height 10 mm, Tail Length 3.5 mm, Rohs, Bulk", Color=Green, Current=13.5A, Manufacturer="TE Connectivity", Package Description="Female Header, Pitch 5 mm, 1 x 2 Position, Height 10 mm, Tail Length 3.5 mm", Package Reference=THD, Standard Package=300, Voltage=300V, 3D Model=282836-2.pdf, Category=Connectors,Interconnects, Clamp Material - Plating=Brass-NickelPlated, Contact Material - Plating=Brass-TinPlated, Datasheet URL=http://www.te.com.cn/commerce/DocumentDelivery/DDEController?Action=showdoc&DocId=Catalog+Section%7F1308389_EUROSTYLE_TERMINAL_BLOCKS%7F0607%7Fpdf%7FEnglish%7FENG_CS_1308389_EUROSTYLE_TERMINAL_BLOCKS_0607.pdf%7F282836-2, Dynamic Catalog=BuchananSeries, Family=TerminalBlocks-WiretoBoard, Featured Product=EurostyleTerminalBlockConnectors, Features=Interlocking(Side), Housing Material=Polyamide(PA66),Nylon6/6, Manufacturer URL=http://www.te.com, Mating Orientation=HorizontalwithBoard, Mounting Type=ThroughHole, Number of Levels=1, Other Names="5ULV-02B / A98076", Packaging=Bulk, Pitch="0.197\"(5.00mm)", Positions Per Level=2, Product Training Modules=Wire-to-BoardEurostyleTerminalBlocks, RoHS Information=282836-2StatementofCompliance, Screw Material - Plating=Brass-NickelPlated, Screw Thread=M3, Series=Buchanan, Torque - Screw=0.68Nm(6Lb-In), Wire Gauge=16-30AWG, Wire Termination=Screw-RisingCageClamp
P1 P2 P3 P4 P5 P6: library part CMP-2000-05165-1, "Male Header, Pitch 2 mm, 1 x 4 Position, Height 6 mm, Tail Length 3.4 mm, -25 to 85 degC, RoHS, Bulk", Manufacturer=JST, Datasheet URL=http://datasheet.octopart.com/B4B-PH-K-S%28LF%29%28SN%29-JST-datasheet-10558886.pdf, Datasheet Version=Apr-09, Manufacturer URL=http://www.jst.com/home2.html, No of Positions=4, Pitch=2mm, Style/Orientation=StraightHeader/Plug, Termination=Crimp, Type=ShroudedHeader
Q1 Q2: library part CMP-1693-00003-4, "TRANS NPN 40V 0.6A SMD SOT23-3", Case/Package=SOT-23, Collector Base Voltage (VCBO)=75V, Collector Emitter Breakdown Voltage=40V, Collector Emitter Saturation Voltage=1V, Continuous Collector Current=600mA, Current=1A, Emitter Base Voltage (VEBO)=6V, Frequency=300MHz, Max Operating Temperature=150°C, Max Power Dissipation=300mW, Min Operating Temperature=-55°C, Package Quantity=3000, Power Dissipation=350mW, Collector Emitter Voltage (VCEO)=40V, Contact Plating=Tin, Current Rating=600mA, Element Configuration=Single, Gain Bandwidth Product=300MHz, Height=1mm, hFE Min=100, Lead Free="Lead Free", Length=3.05mm, Max Breakdown Voltage=40V, Max Collector Current=600mA, Max Frequency=300MHz, Mount="Surface Mount", Number of Elements=1, Number of Pins=3, Packaging="Tape and Reel", Polarity=NPN, Radiation Hardening=No, REACH SVHC="No SVHC", Termination=SMD/SMT, Transition Frequency=300MHz, Voltage=40V, Voltage Rating (DC)=40V, Weight=0.000282oz, Width=1.4mm
R1 R2 R3 R4 R18 R20: library part CMP-2002-07652-1, Manufacturer="Yageo / Phycomp", Part Number=RC0402FR-073K3L
R5 R6 R7 R8 R17 R19: library part CMP-2000-06934-1, "Thick Film Resistor, 2.2 KOhm, 100 mW, 50 V, +/- 1%, -55 to 155 degC, 2-Pin SMD (0603), RoHS, Tape and Reel", Case Code - in=0603, Case Code - mm=1608, Manufacturer=Yageo, Operating Temperature Range=-55Cto+155C, Package Description="2-Pin Surface Mount Device, Body 1.6 x 0.8 mm", Power Rating=100mW, Resistance=2.2kOhms, Temperature Coefficient=100PPM/C, Tolerance=1%, Voltage Rating=50V, Datasheet URL=http://www.yageo.com/documents/recent/PYu-RC_Group_51_RoHS_L_7.pdf, Datasheet Version="Rev. 7, 05/2017", Manufacturer URL=http://www.yageo.com/, Mounting Technology=SurfaceMount, Package Reference=0603, Packaging=Reel, Product=ThickFilmResistorsGeneralPurpose, Series=RC, Termination Style=SMD/SMT
R9 R10 R11 R12 R13 R14 R15 R16 R21 R22 R23 R27: library part CMP-0686-00596-3, "Chip Ferrite Bead, 0603, 220Ω @ 100MHz, 25%, 0.04Ω, 2.5A", Case Code (Imperial)=0603, Case Code (Metric)=1608, Current Rating=2.5A, DC Resistance (DCR)=40mR, Max Operating Temperature=125°C, Min Operating Temperature=-55°C, Package Quantity=1, Test Frequency=100MHz, Tolerance=25%, Case/Package=0603, Core Material=Ferrite, DC Current=2.5A, DC Resistance-Max=40mR, Depth=0.95mm, Height=0.8mm, Impedance=220R, Lead Free="Lead Free", Length=1.6mm, Material=Ferrite, Max Current Rating=2.5A, Max DC Current=2.5A, Number of Circuits=1, Number of Lines=1, Number of Pins=2, Packaging="Tape and Reel", Radiation Hardening=No, REACH SVHC="No SVHC", RoHS Compliant=Yes, Series=BLM18S, Termination=SMD/SMT, Weight=7.1E-05oz, Width=0.8mm
R24 R25: library part CMP-1012-00623-3, "Chip Resistor, 10 KOhm, +/- 1%, 0.1 W, -55 to 155 degC, 0603 (1608 Metric), RoHS, Tape and Reel", Case Code (Imperial)=0603, Case Code (Metric)=1608, Manufacturer=Panasonic, Max Operating Temperature=155degC, Max Power Dissipation=100mW, Min Operating Temperature=-55degC, Package Description="2-Pin Surface Mount Device, Body 1.6 x 0.85 mm", Package Quantity=1, Package Reference=603, Resistance=10KOhm, Temperature Coefficient=100ppm\/degreesC, Tolerance=1%, Voltage Rating=75V, Case\/Package=0603, Composition=ThickFilm, Contact Plating=Tin, Datasheet URL=https://industrial.panasonic.com/cdbs/www-data/pdf/RDA0000/AOA0000C304.pdf, Datasheet Version=02/2017, Depth=0.8mm, Height=0.45mm, Lead Free=LeadFree, Length=1.6mm, Manufacturer URL=http://www.panasonic.com/, Military Standard=Not, Mount=SurfaceMount, Mounting Technology=SurfaceMount, Number of Pins=2, Number of Terminations=2, Packaging=TapeandReel, Power Rating=100mW, Radiation Hardening=No, REACH SVHC=NoSVHC, RoHSCompliant=true, Termination=SMD/SMT, Voltage Rating (DC)=75V, Width=0.031inch
R26: library part CMP-2000-03877-2, "RES Thick Film, 12kΩ, 1%, 0.1W, 100ppm/°C, 0603", Case Code (Imperial)=0603, Case Code (Metric)=1608, Max Operating Temperature=155°C, Max Power Dissipation=100mW, Min Operating Temperature=-55°C, Package Quantity=10, Resistance=12kR, Temperature Coefficient=100ppm/°C, Tolerance=1%, Voltage Rating=75V, Case/Package=0603, Composition="Thick Film", Contact Plating=Tin, Depth=0.85mm, Features="Automotive AEC-Q200", Height=0.45mm, Lead Free="Lead Free", Length=1.55mm, Military Standard=Not, Mount="Surface Mount", Number of Terminations=2, Packaging="Tape and Reel", Power Rating=100mW, Radiation Hardening=No, Termination=SMD/SMT, Voltage Rating (DC)=75V, Weight=7.1E-05oz, Width=0.033inch
Reset: library part CMP-1464-00001-1, "WS-TASU J-Bend J-Bend SMD Tact Switch with boss design 4.7X3.5 mm side push", Manufacturer="Wuerth Elektronik", ComponentLink1Description="Manufacturer URL", ComponentLink1URL=http://www.we-online.com, ComponentLink2Description=Datasheet, ComponentLink2URL=http://katalog.we-online.de/em/datasheet/436333045822.pdf, PackageReference=436333045822, PartNumber=436333045822
"RXD ATMEGA" "RXD ESP" "TXD ATMEGA" "TXD ESP": library part CMP-15831-000005-1, "CONN HEADER VERT 2POS 2MM", Current Rating=2A, Manufacturer=Harwin, Manufacturer Part Number=M22-2510205, Package=0, Temperature="-40°C to +105°C", Temperature Range High=+105°C, Temperature Range Low=-40°C, Automotive=No, Category=Conn, ComponentLink2Description=Datasheet, ComponentLink2URL=https://cdn.harwin.com/pdfs/C018XX_M22_Series_Connectors.pdf, Conn Gender=Male, Conn Orientation=Vertical, Contact Material=Gold,Nickel, Device Class L1=Connectors, Device Class L2="Headers and Wire Housings", Device Class L3=unset, Digikey Description="CONN HEADER VERT 2POS 2MM", Footprint Url=https://cdn.harwin.com/pdfs/M22-251.pdf, Height=5.45mm, Lead Free=Yes, Mouser Description="Headers & Wire Housings 2 PIN SIL VERTICAL GOLD PIN HEADER", Number of Contacts=2, Number of Rows=1, Octopart=https://octopart.com/m22-2510205-harwin-2538221, Pitch=2mm, RoHS=TRUE
USB-C: "No Description Available", Mfr_Name="JAE Electronics", Copyright="Copyright (C) 2022 Ultra Librarian. All rights reserved.", Manufacturer_Part_Number=DX07S024WJ1R350, RefDes=RefDes, Type=DEV
X?: library part CMP-1749-00003-1, "Resistance Weld Thru-Hole Crystal, 16 MHz, -20 to 70 degC, 2-Pin THD, RoHS, Bulk", Case\Package=Axial, Max Operating Temperature="155 degC", Min Operating Temperature="-55 degC", Package Quantity=200, Power Rating="250 mW", Resistance="221 kohm", Tolerance=1%, Voltage Rating="250 V", ComponentLink1Description="Manufacturer URL", ComponentLink1URL=http://www.foxonline.com/, ComponentLink2Description=Datasheet, ComponentLink2URL=http://www.foxonline.com/pdfs/hc49slf.pdf, DatasheetVersion=Mar-15, Length="0.248 inch", Mount="Through Hole", PackageDescription="2-Pin Through Hole Device, Body 11.35 x 4.65 mm", PackageReference=FOXSLF160-20, Packaging=Bulk, RoHSCompliant=true

## Free pads (board coordinates)
  rrect50% 1.524x1.524 smd far side: 3(53.8,63.8) 32(48.3,63.8) 33(48.3,65.6) 41(48.3,59.9) 41(48.3,61.9) 41(53.8,59.8) 41(53.8,61.8) 41(53.8,65.7)
  rrect50% 1.5x3 smd: 33(46.2,80)
  rrect50% 1.524x3 smd: 34(49,80) 34(52.1,80)
  rrect50% 3x1.524 smd: 35(64.2,60.4) 36(64.2,62.3) 37(64.2,64.2) 40(64.2,66.1)

## Via types
v1: diameter 0.6, hole 0.451, Top Layer to Bottom Layer, 159 vias
v2: diameter 1.7, hole 0.711, Top Layer to Bottom Layer, 8 vias
v3: diameter 1.27, hole 0.711, Top Layer to Bottom Layer, 1 vias

## Nets (pads, with @x,y where several pads share a name; then routed paths per layer and width w, separated by ;. In a path a pad name is that pad's centre, name@x,y a point inside that pad or via, vN(x,y) a via of type N, cw(c..) or ccw(c..) an arc to the next point about the centre after c; other vN are vias at no path point)
3V3: +3V3.4 C6.1 Display.1 Display.7 ESP-32.2 pad.3 R14.1 R26.1 | length 161.4
  Top Layer w0.164: Display.1@30,68.2 32.514,70.714 ; v1(33.655,80.061) 33.655,71.855 32.514,70.714 ; v1(35.484,79.4) 35.484,72.644 ; v1(40.945,61.544) 40.945,66.142 41.3,66.497 41.3,67.64 ; v1(41.554,71.958) 36.17,71.958 35.484,72.644 ; v1(44.298,41.465) 44.335,41.427 ESP-32.2@44.335,39.9 ; Display.7@45.24,68.2 43.69,66.65 42.291,66.65 41.3,67.64 ; 32.514,70.714 39.802,70.714 ; 35.484,72.644 35.484,72.339 36.297,71.526 38.989,71.526 39.802,70.714 ; 39.802,70.714 41.3,69.215 41.3,67.64
  Layer 2 w0.164: v1(40.945,61.544) 40.945,60.401 42.012,59.334 42.012,58.725 43.295,57.441 43.295,46.233 44.298,45.23 v1(44.298,41.465)
  Bottom Layer w0.164: R14.1@28.175,54.9 28.175,58.194 31.525,61.544 v1(40.945,61.544) ; C6.1@32.726,79.33 32.726,80.061 v1(33.655,80.061) 36.144,80.061 ; v1(35.484,79.4) 35.738,79.654 ; v1(41.554,71.958) 43.51,71.958 44.297,71.172 44.297,70.029 Display.7@45.683,68.643 ; Display.7@45.24,68.2 Display.7@45.683,68.643 ; +3V3.4@48.3,77.65 +3V3.4@46.454,77.65 ; pad.3@53.8,63.8 52.22,65.38 51.511,65.38 48.916,67.975 48.916,68.782 48.362,69.336 46.376,69.336 Display.7@45.683,68.643 ; R26.1@64.1,79.185 64.1,77.927 63.694,77.521 48.3,77.521 46.584,77.521 +3V3.4@46.454,77.65 ; 35.738,79.654 43.282,79.654 ; 35.738,79.654 36.144,80.061 ; 36.144,80.061 42.875,80.061 43.282,79.654 ; 43.282,79.654 45.286,77.65 +3V3.4@46.454,77.65 ; 43.282,79.654 44.45,79.654 +3V3.4@46.454,77.65
#En: ATMEGA328P.29 ESP-32.3 Q2.3 R26.2 R27.2 Reset.4 | length 139.6
  Top Layer w0.164: v1(18.757,50.368) 19.2,49.925 Reset.4@21.8,49.925 ; v1(45.593,46.685) 45.605,46.673 45.605,41.224 ; ESP-32.3@45.605,39.9 45.605,41.224 ; v1(59.004,51.867) 59.004,48.539 53.416,42.951 47.332,42.951 45.605,41.224 ; v1(62.687,80.815) 62.687,69.723 v1(64.211,68.199)
  Layer 1 w0.164: v1(18.757,50.368) 23.901,50.368 25.502,51.968 29.698,51.968 v1(31.425,53.696)
  Layer 2 w0.164: v1(31.242,64.846) 30.582,64.186 30.582,63.246 29.182,61.847 28.854,61.847 28.42,61.412 28.42,56.7 v1(31.425,53.696) ; v1(59.004,51.867) 61.138,54 v1(61.138,55.296)
  Bottom Layer w0.164: ATMEGA328P.29@24.455,63.266 25.725,63.266 ; v1(31.242,64.846) 30.912,65.176 ; v1(31.425,53.696) R27.2@31.425,55 ; v1(45.593,46.685) 44.768,47.511 44.768,51.33 44.115,51.982 44.115,60.038 43.665,60.488 43.665,63.218 43.586,63.297 40.513,63.297 38.924,64.885 36.13,64.885 35.839,65.176 30.912,65.176 ; v1(61.138,55.296) 62.586,55.296 64.922,57.633 65.38,57.633 65.38,61.773 63.8,63.352 Q2.3@63.8,66.077 63.8,66.827 64.008,66.827 64.211,67.031 v1(64.211,68.199) ; v1(62.687,80.815) R26.2@64.1,80.815 ; 25.725,63.266 26.035,63.266 27.945,65.176 ; 25.725,63.266 27.635,65.176 27.945,65.176 ; 27.945,65.176 30.912,65.176 ; 27.945,65.176 28.479,65.71 30.378,65.71 30.912,65.176
Con2: +3V3.3 +5V.3 ATMEGA328P.4 ATMEGA328P.6 ATMEGA328P.26 C3.1 C4.1 C5.1 D1.2 FT232RL.20 pad.33@46.2,80 pad.36 pad.41@53.8,65.7 R13.1 | length 218.7
  Top Layer w0.164: v1(31.75,75.94) 32.1,75.381 ; +5V.3@32.1,74.1 32.1,75.381 ; v1(32.511,75.792) 32.1,75.381 ; v1(32.69,76.759) 32.69,80.34 33.096,80.747 46.2,80.747 pad.33@46.2,80 v1(46.2,73.228) ; v1(54,71.264) 51.964,71.264 51.964,73.05 54.889,73.05 58.522,69.418 61.062,69.418 61.544,69.901 61.544,76.2 59.956,77.788 C3.1@59.956,80.5 ; v1(61.804,62.3) 62.579,62.3 ; v1(62.255,61.849) 62.255,61.976 62.579,62.3 ; pad.36@64.2,62.3 62.579,62.3
  Layer 1 w0.164: v1(53.775,50.267) v1(53.772,50.267) 52.68,50.267 52.146,50.8 ; v1(54,71.264) 54.813,72.077 54.813,73.812 55.27,74.27 58.355,74.27 59.539,73.086 59.539,69.444 58.742,68.647 58.742,65.362 58.945,65.159 ; v1(61.804,62.3) 58.945,65.159 ; v1(62.255,61.849) 62.941,61.163 62.941,60.757 ; 49.886,53.36 49.886,54.458 ; 49.886,53.36 49.886,51.917 50.292,51.51 51.436,51.51 52.146,50.8 ; 49.886,53.36 50.19,53.055 51.313,53.055 52.146,52.222 52.146,50.8 ; 49.886,54.458 49.886,54.508 50.19,54.813 59.817,54.813 60.046,54.585 ; 49.886,54.458 50.165,54.737 57.683,54.737 57.836,54.585 60.046,54.585 ; 58.945,65.159 58.742,64.956 61.601,62.097 62.941,60.757 ; 60.046,54.585 60.173,54.458 61.417,54.458 61.544,54.585 ; 60.046,54.585 61.544,54.585 ; 61.544,54.585 61.798,54.585 62.941,55.728 62.941,55.982 ; 61.544,54.585 62.941,55.982 ; 62.941,55.982 62.941,60.757
  Layer 2 w0.164: v1(21.488,54.026) 21.488,59.639 v1(27.762,65.913) 27.762,71.953 30.028,74.219 ; v1(22.733,80.416) 22.733,80.061 22.25,79.578 21.107,79.578 19.558,78.029 19.558,74.778 20.117,74.219 30.028,74.219 ; v1(31.75,75.94) 30.028,74.219 ; v1(32.69,76.759) 30.15,74.219 ; v1(32.701,75.602) 31.318,74.219 30.15,74.219 ; 30.028,74.219 30.15,74.219
  Bottom Layer w0.164: ATMEGA328P.6@19.004,59.416 19.004,58.115 19.411,57.709 20.198,57.709 20.604,58.115 ; ATMEGA328P.4@20.604,59.416 20.604,58.115 ; v1(21.488,54.026) 21.175,54.339 R13.1@21.175,54.9 21.175,55.563 20.604,56.134 20.604,58.115 ; C4.1@22.425,79.3 22.425,80.108 v1(22.733,80.416) ; ATMEGA328P.26@24.455,65.666 27.515,65.666 v1(27.762,65.913) ; v1(32.511,75.792) v1(32.701,75.602) C5.1@32.701,74.23 ; v1(46.2,73.228) 46.02,73.048 +3V3.3@46.02,71.35 46.02,70.261 46.33,69.952 51.168,69.952 D1.2@52.92,68.2 52.92,68.174 55.55,68.174 ; v1(53.772,50.267) v1@53.775,50.263 ; FT232RL.20@53.775,47.975 v1@53.775,50.263 ; v1(53.775,50.267) v1@53.775,50.263 ; pad.41@53.8,65.7 54.6,65.7 55.55,66.65 55.55,68.174 ; v1(54,71.264) 55.55,69.715 55.55,68.174
CS: Display.2 ESP-32.26 | length 32.6
  Top Layer w0.164: ESP-32.26@58.305,56.9 v1(58.305,58.725)
  Layer 1 w0.164: Display.2@32.54,68.2 34.512,66.228 45.503,66.228 49.71,62.021 49.71,60.12 49.859,59.97 54.484,59.97 55.73,58.725 v1(58.305,58.725)
D+: FT232RL.15 pad.32 USB-C.B6 | length 42.2
  Layer 1 w0.164: v1(51.537,32.425) 51.537,38.583 v1(57.431,44.477)
  Bottom Layer w0.164: pad.32@48.3,63.8 51.689,60.411 51.689,57.709 52.502,56.896 57.582,56.896 57.607,56.871 57.607,52.934 57.025,52.351 FT232RL.15@57.025,47.975 57.025,44.884 v1(57.431,44.477) ; USB-C.B6@50.4,32.425 v1(51.537,32.425)
D-: FT232RL.16 pad.33@48.3,65.6 USB-C.B7 | length 51.3
  Layer 2 w0.164: v1(48.743,33.528) 54.762,33.528 57.71,36.475 57.71,42.823 56.363,44.171 v1(56.363,50.267) 56.361,50.268 56.361,56.821 v1(54.712,58.471)
  Bottom Layer w0.164: pad.33@48.3,65.6 49.614,65.6 52.578,62.636 52.578,57.912 52.807,57.683 53.924,57.683 v1(54.712,58.471) ; v1(48.743,33.528) 48.743,32.763 49.581,31.925 USB-C.B7@50.4,31.925 ; v1(56.363,50.267) 56.375,50.254 FT232RL.16@56.375,47.975
DC: Display.3 ESP-32.33 | length 23.3
  Top Layer w0.164: ESP-32.33@49.415,56.9 49.415,59.702 v1(50.368,60.655)
  Layer 1 w0.164: Display.3@35.08,68.2 36.634,66.646 45.676,66.646 50.368,61.953 v1(50.368,60.655)
Dir1: ATMEGA328P.1 ATMEGA328P.13 P1.3 | length 79.4
  Layer 2 w0.164: v1(11.582,50.114) 10.795,50.902 10.795,76.695 P1.3@11.9,77.8
  Bottom Layer w0.164: v1(11.582,50.114) 10.795,50.902 10.795,58.674 ; ATMEGA328P.13@15.955,64.066 13.774,64.066 13.106,63.398 13.106,61.773 10.795,59.461 10.795,58.674 ; ATMEGA328P.1@23.005,59.416 23.005,57.201 24.511,55.694 24.511,54.254 22.987,52.73 22.987,50.8 21.184,48.997 11.379,48.997 10.008,50.368 10.008,58.674 10.795,58.674
Dir2: ATMEGA328P.9 P2.3 | length 24
  Layer 2 w0.164: P2.3@11.9,66.9 13.005,65.795 13.005,54.28 v3(14.249,53.035)
  Bottom Layer w0.164: v3(14.249,53.035) 14.249,60.147 14.968,60.866 ATMEGA328P.9@15.955,60.866